# Altium PCB touch-2ch-v4.PcbDoc (part 7 of 8)
Units mm, origin at the board's own origin, x right, y up, seen from the top; angles counter-clockwise.
Board outline 39.88 x 84.36 mm, 2 copper layers (Top Layer, Bottom Layer); 1029 components, 40 nets, 2604 pads, 0 vias.
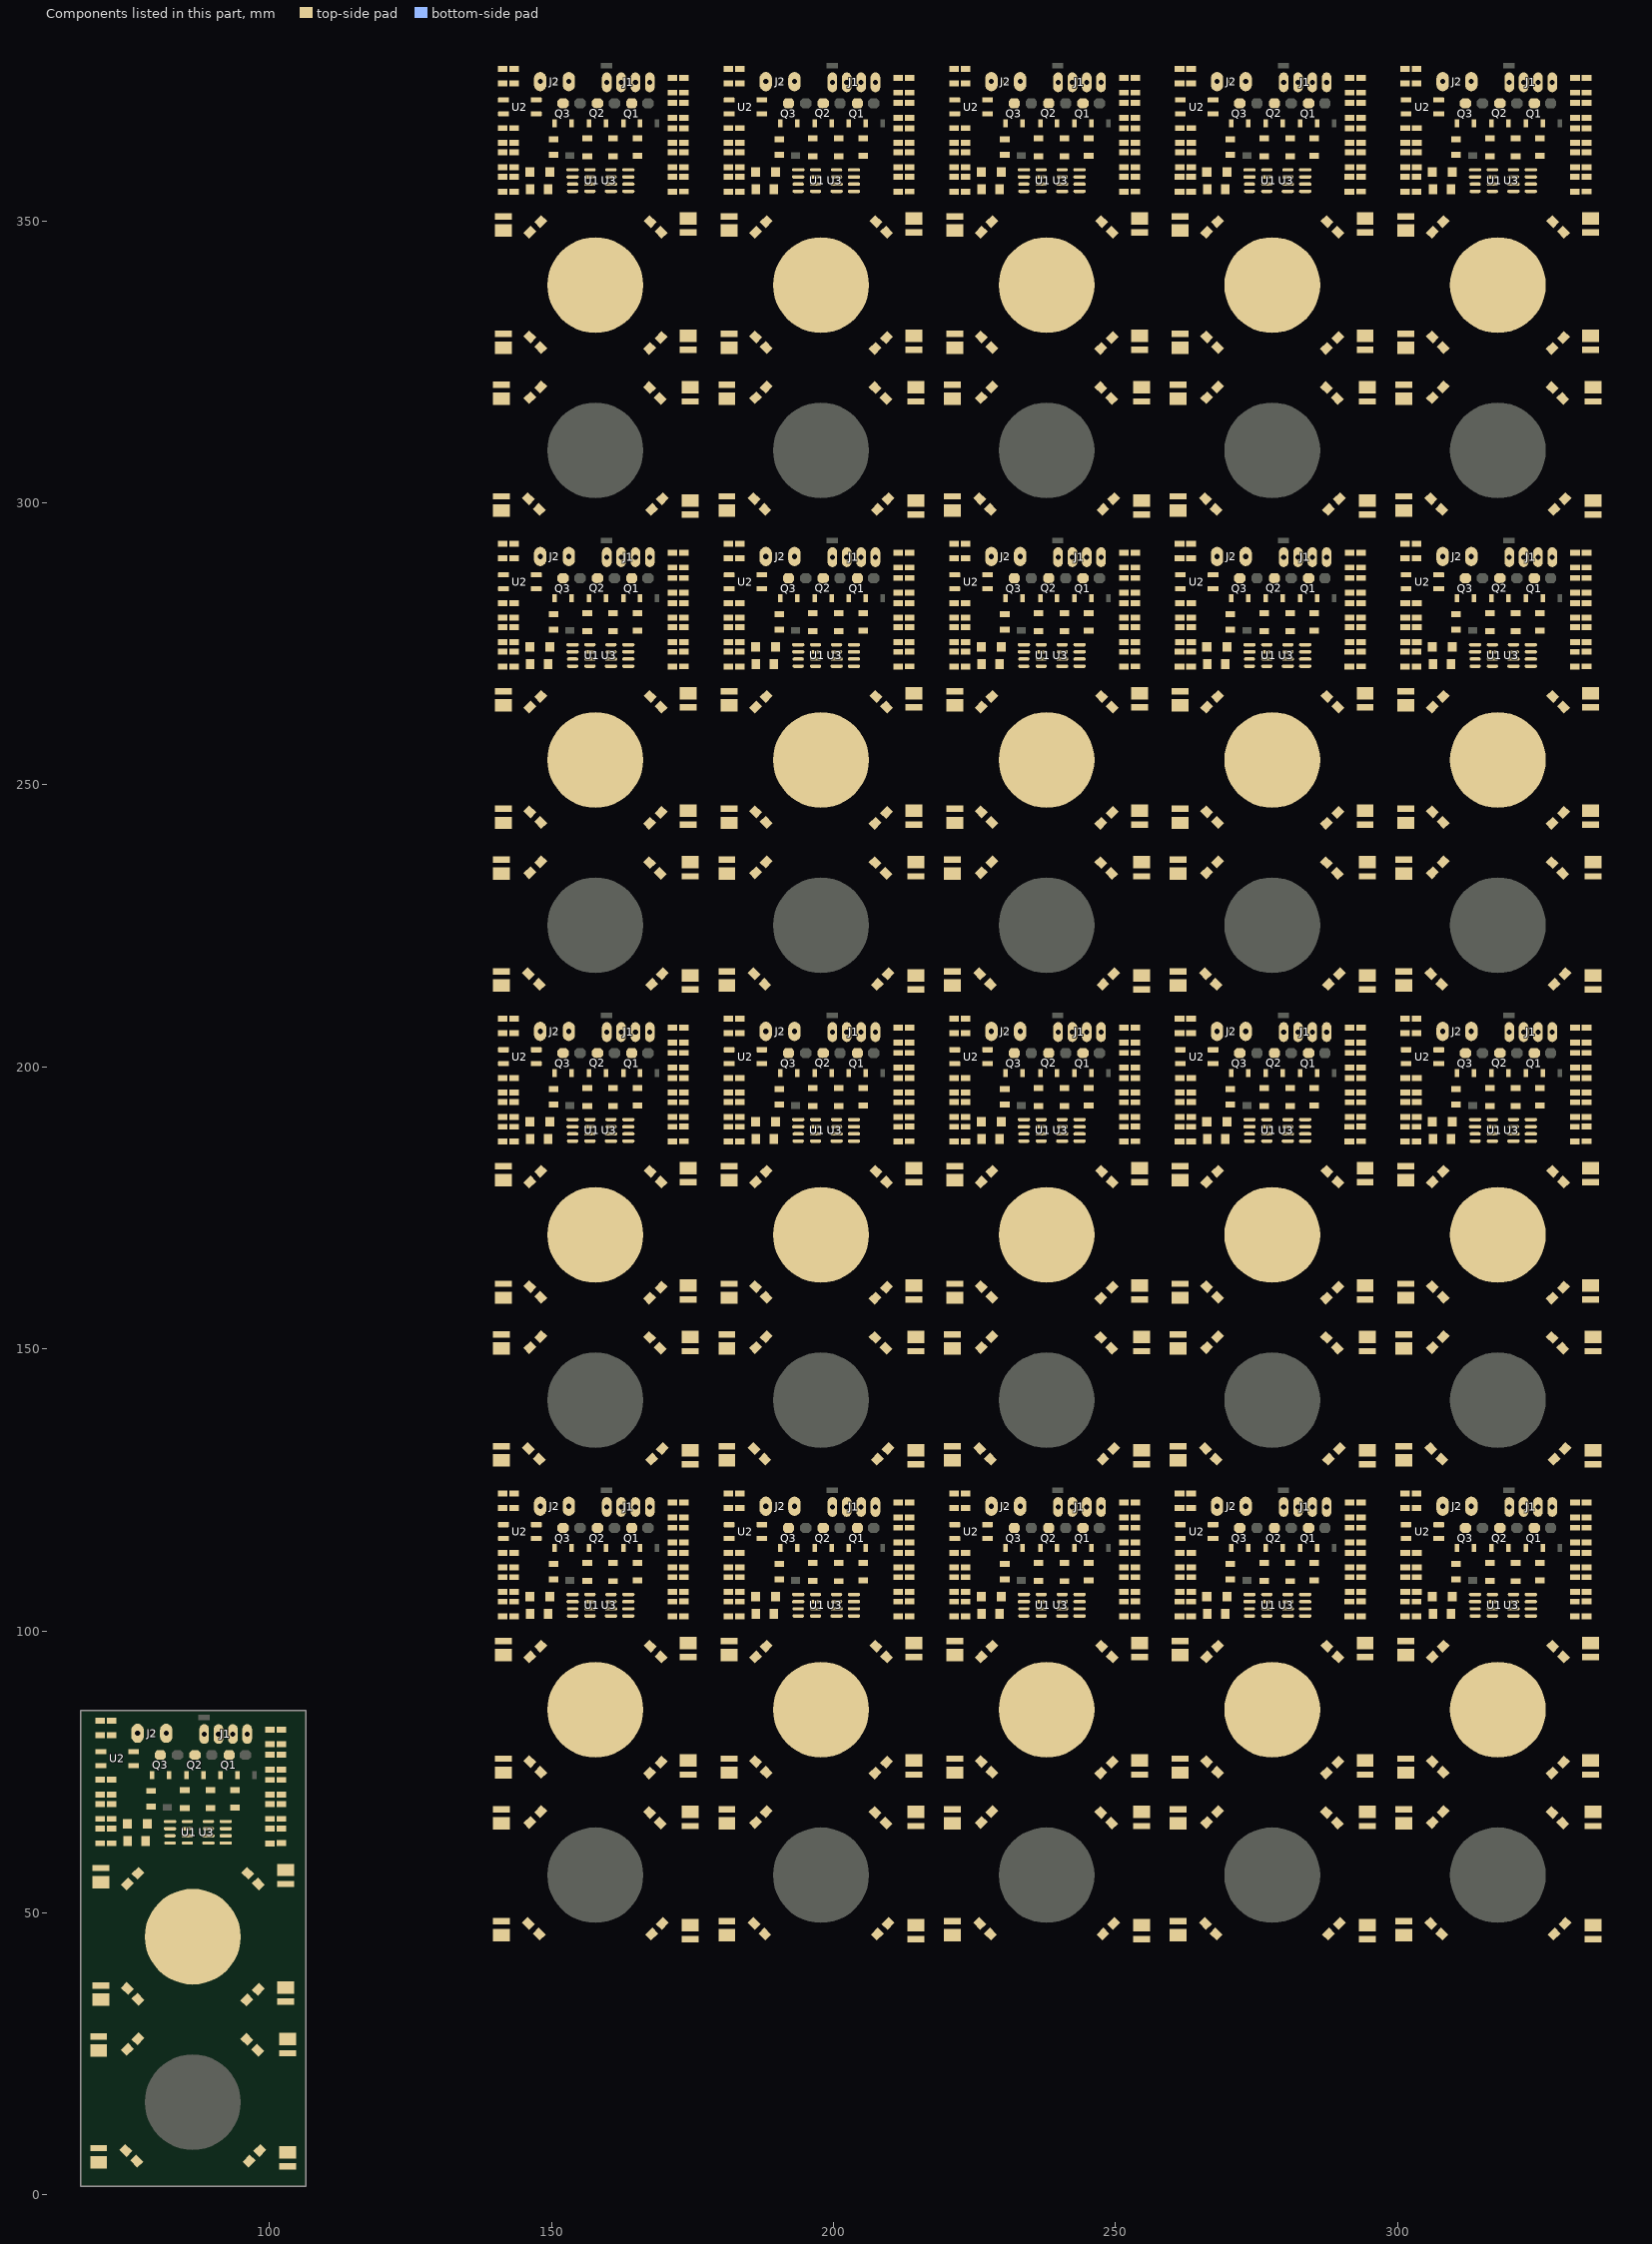
[diagram p7: the components of this part, seen from the top]

## Nets (pads, with @x,y where several pads share a name; then routed paths per layer and width w, separated by ;. In a path a pad name is that pad's centre, name@x,y a point inside that pad or via, vN(x,y) a via of type N, cw(c..) or ccw(c..) an arc to the next point about the centre after c; other vN are vias at no path point) (continued)
copper on no net: (continued)
  Top Layer w0.8: 289.926,207.771 290.642,207.055 291.348,207.055 291.473,206.93 ; 289.926,291.971 290.642,291.255 291.348,291.255 291.473,291.13 ; 289.926,376.171 290.642,375.455 291.348,375.455 291.473,375.33 ; 291.08,101.484 291.08,102.46 291.205,102.585 291.727,102.585 ; 291.08,185.684 291.08,186.66 291.205,186.785 291.727,186.785 ; 291.08,269.884 291.08,270.86 291.205,270.985 291.727,270.985 ; 291.08,354.084 291.08,355.06 291.205,355.185 291.727,355.185 ; 291.148,122.73 293.505,122.73 ; 291.148,206.93 293.505,206.93 ; 291.148,291.13 293.505,291.13 ; 291.148,375.33 293.505,375.33 ; 291.323,102.585 291.45,102.585 291.727,102.585 ; 291.323,186.785 291.45,186.785 291.727,186.785 ; 291.323,270.985 291.45,270.985 291.727,270.985 ; 291.323,355.185 291.45,355.185 291.727,355.185 ; 291.346,105.204 292.425,105.204 ; 291.346,189.404 292.425,189.404 ; 291.346,273.604 292.425,273.604 ; 291.346,357.804 292.425,357.804 ; 291.473,106.926 292.489,106.926 ; 291.473,109.522 292.489,109.522 ; 291.473,111.244 292.489,111.244 ; 291.473,113.84 292.489,113.84 ; 291.473,115.689 292.489,115.689 ; 291.473,118.285 292.489,118.285 ; 291.473,120.134 292.362,120.134 ; 291.473,191.126 292.489,191.126 ; 291.473,193.722 292.489,193.722 ; 291.473,195.444 292.489,195.444 ; 291.473,198.04 292.489,198.04 ; 291.473,199.889 292.489,199.889 ; 291.473,202.485 292.489,202.485 ; 291.473,204.334 292.362,204.334 ; 291.473,275.326 292.489,275.326 ; 291.473,277.922 292.489,277.922 ; 291.473,279.644 292.489,279.644 ; 291.473,282.24 292.489,282.24 ; 291.473,284.089 292.489,284.089 ; 291.473,286.685 292.489,286.685 ; 291.473,288.534 292.362,288.534 ; 291.473,359.526 292.489,359.526 ; 291.473,362.122 292.489,362.122 ; 291.473,363.844 292.489,363.844 ; 291.473,366.44 292.489,366.44 ; 291.473,368.289 292.489,368.289 ; 291.473,370.885 292.489,370.885 ; 291.473,372.734 292.362,372.734 ; 293.505,102.608 291.727,102.608 291.727,102.585 ; 293.505,105.204 292.489,105.204 ; 293.505,106.926 292.489,106.926 ; 293.505,109.522 292.489,109.522 ; 293.505,111.244 292.489,111.244 ; 293.505,113.84 292.489,113.84 ; 293.505,115.689 292.489,115.689 ; 293.505,118.285 292.489,118.285 ; 293.505,120.134 292.362,120.134 ; 293.505,186.808 291.727,186.808 291.727,186.785 ; 293.505,189.404 292.489,189.404 ; 293.505,191.126 292.489,191.126 ; 293.505,193.722 292.489,193.722 ; 293.505,195.444 292.489,195.444 ; 293.505,198.04 292.489,198.04 ; 293.505,199.889 292.489,199.889 ; 293.505,202.485 292.489,202.485 ; 293.505,204.334 292.362,204.334 ; 293.505,271.008 291.727,271.008 291.727,270.985 ; 293.505,273.604 292.489,273.604 ; 293.505,275.326 292.489,275.326 ; 293.505,277.922 292.489,277.922 ; 293.505,279.644 292.489,279.644 ; 293.505,282.24 292.489,282.24 ; 293.505,284.089 292.489,284.089 ; 293.505,286.685 292.489,286.685 ; 293.505,288.534 292.362,288.534 ; 293.505,355.208 291.727,355.208 291.727,355.185 ; 293.505,357.804 292.489,357.804 ; 293.505,359.526 292.489,359.526 ; 293.505,362.122 292.489,362.122 ; 293.505,363.844 292.489,363.844 ; 293.505,366.44 292.489,366.44 ; 293.505,368.289 292.489,368.289 ; 293.505,370.885 292.489,370.885 ; 293.505,372.734 292.362,372.734 ; 301.326,118.882 303.774,118.882 305.288,120.396 305.288,124.333 ; 301.326,203.082 303.774,203.082 305.288,204.596 305.288,208.533 ; 301.326,287.282 303.774,287.282 305.288,288.796 305.288,292.733 ; 301.326,371.482 303.774,371.482 305.288,372.996 305.288,376.933 ; 301.351,102.743 303.127,102.743 303.245,102.625 303.674,102.625 ; 301.351,105.187 301.781,105.187 302.494,105.187 ; 301.351,124.364 303.287,124.364 303.317,124.333 305.288,124.333 ; 301.351,186.943 303.127,186.943 303.245,186.825 303.674,186.825 ; 301.351,189.387 301.781,189.387 302.494,189.387 ; 301.351,208.564 303.287,208.564 303.317,208.533 305.288,208.533 ; 301.351,271.143 303.127,271.143 303.245,271.025 303.674,271.025 ; 301.351,273.587 301.781,273.587 302.494,273.587 ; 301.351,292.764 303.287,292.764 303.317,292.733 305.288,292.733 ; 301.351,355.343 303.127,355.343 303.245,355.225 303.674,355.225 ; 301.351,357.787 301.781,357.787 302.494,357.787 ; 301.351,376.964 303.287,376.964 303.317,376.933 305.288,376.933 ; 301.373,106.931 302.494,106.931 ; 301.373,111.249 302.357,111.249 ; 301.373,113.845 303.405,113.845 ; 301.373,191.131 302.494,191.131 ; 301.373,195.449 302.357,195.449 ; 301.373,198.045 303.405,198.045 ; 301.373,275.331 302.494,275.331 ; 301.373,279.649 302.357,279.649 ; 301.373,282.245 303.405,282.245 ; 301.373,359.531 302.494,359.531 ; 301.373,363.849 302.357,363.849 ; 301.373,366.445 303.405,366.445 ; 301.49,116.332 303.891,116.332 307.701,112.522 307.701,110.49 ; 301.49,200.532 303.891,200.532 307.701,196.722 307.701,194.69 ; 301.49,284.732 303.891,284.732 307.701,280.922 307.701,278.89 ; 301.49,368.932 303.891,368.932 307.701,365.122 307.701,363.09 ; 303.383,102.591 303.499,102.591 303.624,102.466 303.624,101.359 307.701,97.282 308.082,97.282 ; 303.383,105.187 303.363,105.206 302.748,105.206 302.494,105.46 302.494,106.931 ; 303.383,186.791 303.499,186.791 303.624,186.666 303.624,185.559 307.701,181.482 308.082,181.482 ; 303.383,189.387 303.363,189.406 302.748,189.406 302.494,189.66 302.494,191.131 ; 303.383,270.991 303.499,270.991 303.624,270.866 303.624,269.759 307.701,265.682 308.082,265.682 ; 303.383,273.587 303.363,273.606 302.748,273.606 302.494,273.86 302.494,275.331 ; 303.383,355.191 303.499,355.191 303.624,355.066 303.624,353.959 307.701,349.882 308.082,349.882 ; 303.383,357.787 303.363,357.806 302.748,357.806 302.494,358.06 302.494,359.531 ; 303.405,106.931 302.494,106.931 ; 303.405,109.527 303.402,109.524 302.357,109.524 302.357,111.249 ; 303.405,111.249 302.357,111.249 ; 303.405,191.131 302.494,191.131 ; 303.405,193.727 303.402,193.724 302.357,193.724 302.357,195.449 ; 303.405,195.449 302.357,195.449 ; 303.405,275.331 302.494,275.331 ; 303.405,277.927 303.402,277.924 302.357,277.924 302.357,279.649 ; 303.405,279.649 302.357,279.649 ; 303.405,359.531 302.494,359.531 ; 303.405,362.127 303.402,362.124 302.357,362.124 302.357,363.849 ; 303.405,363.849 302.357,363.849 ; 305.542,48.006 305.69,48.154 305.69,48.48 305.288,48.882 305.288,64.897 305.923,65.532 ; 305.542,132.206 305.69,132.354 305.69,132.68 305.288,133.082 305.288,149.097 305.923,149.732 ; 305.542,216.406 305.69,216.554 305.69,216.88 305.288,217.282 305.288,233.297 305.923,233.932 ; 305.542,300.606 305.69,300.754 305.69,301.08 305.288,301.482 305.288,317.497 305.923,318.132 ; 306.177,76.835 306.177,77.054 303.891,79.34 303.891,92.837 306.177,95.123 306.177,95.377 ; 306.177,161.035 306.177,161.254 303.891,163.54 303.891,177.037 306.177,179.323 306.177,179.577 ; 306.177,245.235 306.177,245.454 303.891,247.74 303.891,261.237 306.177,263.523 306.177,263.777 ; 306.177,329.435 306.177,329.654 303.891,331.94 303.891,345.437 306.177,347.723 306.177,347.977 ; 308.082,67.945 308.188,68.051 ; 308.082,74.93 308.188,74.824 308.188,68.051 ; 308.082,152.145 308.188,152.251 ; 308.082,159.13 308.188,159.024 308.188,152.251 ; 308.082,236.345 308.188,236.451 ; 308.082,243.33 308.188,243.224 308.188,236.451 ; 308.082,320.545 308.188,320.651 ; 308.082,327.53 308.188,327.424 308.188,320.651 ; 308.188,67.945 308.188,68.051 ; 308.188,152.145 308.188,152.251 ; 308.188,236.345 308.188,236.451 ; 308.188,320.545 308.188,320.651 ; 309.733,106.045 309.733,106.095 309.333,106.495 309.029,106.495 307.701,107.823 307.701,110.49 ; 309.733,190.245 309.733,190.295 309.333,190.695 309.029,190.695 307.701,192.023 307.701,194.69 ; 309.733,274.445 309.733,274.495 309.333,274.895 309.029,274.895 307.701,276.223 307.701,278.89 ; 309.733,358.645 309.733,358.695 309.333,359.095 309.029,359.095 307.701,360.423 307.701,363.09 ; 310.495,46.736 324.973,46.736 ; 310.495,130.936 324.973,130.936 ; 310.495,215.136 324.973,215.136 ; 310.495,299.336 324.973,299.336 ; 310.541,114.682 310.541,114.382 310.841,114.382 313.035,112.188 313.035,110.49 ; 310.541,198.881 310.541,198.582 310.841,198.582 313.035,196.388 313.035,194.69 ; 310.541,283.081 310.541,282.781 310.841,282.781 313.035,280.588 313.035,278.89 ; 310.541,367.281 310.541,366.981 310.841,366.981 313.035,364.788 313.035,363.09 ; 313.289,108.966 313.261,108.966 313.061,109.166 313.061,110.235 312.806,110.49 ; 313.289,193.166 313.261,193.166 313.061,193.366 313.061,194.435 312.806,194.69 ; 313.289,277.366 313.261,277.366 313.061,277.566 313.061,278.635 312.806,278.89 ; 313.289,361.566 313.261,361.566 313.061,361.766 313.061,362.835 312.806,363.09 ; 314.123,97.227 316.464,99.568 316.464,102.254 ; 314.123,181.427 316.464,183.768 316.464,186.454 ; 314.123,265.627 316.464,267.968 316.464,270.654 ; 314.123,349.827 316.464,352.168 316.464,354.854 ; 316.661,114.403 318.75,112.315 318.75,110.49 ; 316.661,198.603 318.75,196.515 318.75,194.69 ; 316.661,282.803 318.75,280.715 318.75,278.89 ; 316.661,367.003 318.75,364.915 318.75,363.09 ; 317.779,56.686 317.988,56.895 ; 317.779,140.886 317.988,141.095 ; 317.779,225.086 317.988,225.295 ; 317.779,309.286 317.988,309.495 ; 317.988,56.133 317.988,75.091 318.632,75.735 ccw(c317.523,86.075) 322.756,95.063 322.179,95.64 322.179,98.425 326.265,102.512 326.265,103.886 ; 317.988,140.333 317.988,159.291 318.632,159.935 ccw(c317.523,170.275) 322.756,179.263 322.179,179.84 322.179,182.625 326.265,186.712 326.265,188.086 ; 317.988,224.533 317.988,243.491 318.632,244.135 ccw(c317.523,254.475) 322.756,263.463 322.179,264.04 322.179,266.825 326.265,270.912 326.265,272.286 ; 317.988,308.733 317.988,327.691 318.632,328.335 ccw(c317.523,338.675) 322.756,347.663 322.179,348.24 322.179,351.025 326.265,355.111 326.265,356.486 ; 318.033,87.04 318.033,96.565 319.766,98.298 319.766,102.362 ; 318.033,171.24 318.033,180.765 319.766,182.498 319.766,186.562 ; 318.033,255.44 318.033,264.965 319.766,266.698 319.766,270.762 ; 318.033,339.64 318.033,349.165 319.766,350.898 319.766,354.962 ; 319.664,125.095 305.757,125.095 305.288,124.626 305.288,124.333 ; 319.664,209.295 305.757,209.295 305.288,208.826 305.288,208.533 ; 319.664,293.495 305.757,293.495 305.288,293.026 305.288,292.733 ; 319.664,377.695 305.757,377.695 305.288,377.226 305.288,376.933 ; 319.766,125.095 326.923,125.095 327.431,124.587 ; 319.766,209.295 326.923,209.295 327.431,208.787 ; 319.766,293.495 326.923,293.495 327.431,292.987 ; 319.766,377.695 326.923,377.695 327.431,377.187 ; 322.733,114.682 322.733,114.382 323.195,113.92 323.195,110.49 ; 322.733,198.881 322.733,198.582 323.195,198.12 323.195,194.69 ; 322.733,283.081 322.733,282.781 323.195,282.32 323.195,278.89 ; 322.733,367.281 322.733,366.981 323.195,366.52 323.195,363.09 ; 324.338,97.155 324.338,98.044 328.805,102.512 328.805,110.49 ; 324.338,181.355 324.338,182.244 328.805,186.712 328.805,194.69 ; 324.338,265.555 324.338,266.444 328.805,270.912 328.805,278.89 ; 324.338,349.755 324.338,350.644 328.805,355.111 328.805,363.09 ; 327.28,67.818 327.28,67.924 ; 327.28,152.018 327.28,152.124 ; 327.28,236.218 327.28,236.324 ; 327.28,320.418 327.28,320.524 ; 327.386,67.818 327.28,67.924 ; 327.386,74.803 327.28,74.697 327.28,67.924 ; 327.386,152.018 327.28,152.124 ; 327.386,159.003 327.28,158.897 327.28,152.124 ; 327.386,236.218 327.28,236.324 ; 327.386,243.203 327.28,243.097 327.28,236.324 ; 327.386,320.418 327.28,320.524 ; 327.386,327.403 327.28,327.297 327.28,320.524 ; 327.513,123.037 327.816,123.037 328.35,123.571 330.307,123.571 ; 327.513,207.237 327.816,207.237 328.35,207.771 330.307,207.771 ; 327.513,291.437 327.816,291.437 328.35,291.971 330.307,291.971 ; 327.513,375.637 327.816,375.637 328.35,376.171 330.307,376.171 ; 327.64,97.291 327.633,97.297 327.633,97.656 331.461,101.484 ; 327.64,181.491 327.633,181.497 327.633,181.856 331.461,185.684 ; 327.64,265.691 327.633,265.697 327.633,266.056 331.461,269.884 ; 327.64,349.891 327.633,349.897 327.633,350.256 331.461,354.084 ; 328.733,114.682 328.733,114.147 328.805,114.075 328.805,110.49 ; 328.733,198.881 328.733,198.347 328.805,198.275 328.805,194.69 ; 328.733,283.081 328.733,282.547 328.805,282.475 328.805,278.89 ; 328.733,367.281 328.733,366.747 328.805,366.675 328.805,363.09 ; 329.291,65.913 329.291,65.892 330.434,64.749 330.434,49.114 329.545,48.225 329.545,47.879 ; 329.291,150.113 329.291,150.092 330.434,148.949 330.434,133.314 329.545,132.425 329.545,132.079 ; 329.291,234.313 329.291,234.292 330.434,233.149 330.434,217.514 329.545,216.625 329.545,216.279 ; 329.291,318.513 329.291,318.492 330.434,317.349 330.434,301.714 329.545,300.825 329.545,300.479 ; 329.418,76.708 329.418,77.089 332.085,79.756 332.085,92.71 329.418,95.377 ; 329.418,160.908 329.418,161.289 332.085,163.956 332.085,176.91 329.418,179.577 ; 329.418,245.108 329.418,245.489 332.085,248.156 332.085,261.11 329.418,263.777 ; 329.418,329.308 329.418,329.689 332.085,332.356 332.085,345.31 329.418,347.977 ; 329.926,123.571 330.642,122.855 331.347,122.855 331.472,122.73 ; 329.926,207.771 330.642,207.055 331.347,207.055 331.472,206.93 ; 329.926,291.971 330.642,291.255 331.347,291.255 331.472,291.13 ; 329.926,376.171 330.642,375.455 331.347,375.455 331.472,375.33 ; 331.08,101.484 331.08,102.46 331.205,102.585 331.726,102.585 ; 331.08,185.684 331.08,186.66 331.205,186.785 331.726,186.785 ; 331.08,269.884 331.08,270.86 331.205,270.985 331.726,270.985 ; 331.08,354.084 331.08,355.06 331.205,355.185 331.726,355.185 ; 331.147,122.73 333.504,122.73 ; 331.147,206.93 333.504,206.93 ; 331.147,291.13 333.504,291.13 ; 331.147,375.33 333.504,375.33 ; 331.323,102.585 331.45,102.585 331.726,102.585 ; 331.323,186.785 331.45,186.785 331.726,186.785 ; 331.323,270.985 331.45,270.985 331.726,270.985 ; 331.323,355.185 331.45,355.185 331.726,355.185 ; 331.345,105.204 332.425,105.204 ; 331.345,189.404 332.425,189.404 ; 331.345,273.604 332.425,273.604 ; 331.345,357.804 332.425,357.804 ; 331.472,106.926 332.488,106.926 ; 331.472,109.522 332.488,109.522 ; 331.472,111.244 332.488,111.244 ; 331.472,113.84 332.488,113.84 ; 331.472,115.689 332.488,115.689 ; 331.472,118.285 332.488,118.285 ; 331.472,120.134 332.361,120.134 ; 331.472,191.126 332.488,191.126 ; 331.472,193.722 332.488,193.722 ; 331.472,195.444 332.488,195.444 ; 331.472,198.04 332.488,198.04 ; 331.472,199.889 332.488,199.889 ; 331.472,202.485 332.488,202.485 ; 331.472,204.334 332.361,204.334 ; 331.472,275.326 332.488,275.326 ; 331.472,277.922 332.488,277.922 ; 331.472,279.644 332.488,279.644 ; 331.472,282.24 332.488,282.24 ; 331.472,284.089 332.488,284.089 ; 331.472,286.685 332.488,286.685 ; 331.472,288.534 332.361,288.534 ; 331.472,359.526 332.488,359.526 ; 331.472,362.122 332.488,362.122 ; 331.472,363.844 332.488,363.844 ; 331.472,366.44 332.488,366.44 ; 331.472,368.289 332.488,368.289 ; 331.472,370.885 332.488,370.885 ; 331.472,372.734 332.361,372.734 ; 333.504,102.608 331.726,102.608 331.726,102.585 ; 333.504,105.204 332.488,105.204 ; 333.504,106.926 332.488,106.926 ; 333.504,109.522 332.488,109.522 ; 333.504,111.244 332.488,111.244 ; 333.504,113.84 332.488,113.84 ; 333.504,115.689 332.488,115.689 ; 333.504,118.285 332.488,118.285 ; 333.504,120.134 332.361,120.134 ; 333.504,186.808 331.726,186.808 331.726,186.785 ; 333.504,189.404 332.488,189.404 ; 333.504,191.126 332.488,191.126 ; 333.504,193.722 332.488,193.722 ; 333.504,195.444 332.488,195.444 ; 333.504,198.04 332.488,198.04 ; 333.504,199.889 332.488,199.889 ; 333.504,202.485 332.488,202.485 ; 333.504,204.334 332.361,204.334 ; 333.504,271.008 331.726,271.008 331.726,270.985 ; 333.504,273.604 332.488,273.604 ; 333.504,275.326 332.488,275.326 ; 333.504,277.922 332.488,277.922 ; 333.504,279.644 332.488,279.644 ; 333.504,282.24 332.488,282.24 ; 333.504,284.089 332.488,284.089 ; 333.504,286.685 332.488,286.685 ; 333.504,288.534 332.361,288.534 ; 333.504,355.208 331.726,355.208 331.726,355.185 ; 333.504,357.804 332.488,357.804 ; 333.504,359.526 332.488,359.526 ; 333.504,362.122 332.488,362.122 ; 333.504,363.844 332.488,363.844 ; 333.504,366.44 332.488,366.44 ; 333.504,368.289 332.488,368.289 ; 333.504,370.885 332.488,370.885 ; 333.504,372.734 332.361,372.734 ; 147.701,110.49 152.807,110.49 ; 147.701,194.69 152.807,194.69 ; 147.701,278.89 152.807,278.89 ; 147.701,363.09 152.807,363.09 ; 152.807,110.49 158.75,110.49 ; 152.807,194.69 158.75,194.69 ; 152.807,278.89 158.75,278.89 ; 152.807,363.09 158.75,363.09 ; 158.75,110.49 163.195,110.49 ; 158.75,194.69 163.195,194.69 ; 158.75,278.89 163.195,278.89 ; 158.75,363.09 163.195,363.09 ; 163.195,110.49 168.806,110.49 ; 163.195,194.69 168.806,194.69 ; 163.195,278.89 168.806,278.89 ; 163.195,363.09 168.806,363.09 ; 172.362,120.134 172.362,118.412 172.489,118.285 ; 172.362,204.334 172.362,202.612 172.489,202.485 ; 172.362,288.534 172.362,286.812 172.489,286.685 ; 172.362,372.734 172.362,371.012 172.489,370.885 ; 172.425,105.204 172.489,105.204 ; 172.425,105.204 172.489,105.267 ; 172.425,189.404 172.489,189.404 ; 172.425,189.404 172.489,189.467 ; 172.425,273.604 172.489,273.604 ; 172.425,273.604 172.489,273.667 ; 172.425,357.804 172.489,357.804 ; 172.425,357.804 172.489,357.867 ; 172.489,105.204 172.489,105.267 ; 172.489,105.267 172.489,106.926 ; 172.489,109.522 172.489,111.244 ; 172.489,113.84 172.489,115.689 ; 172.489,189.404 172.489,189.467 ; 172.489,189.467 172.489,191.126 ; 172.489,193.722 172.489,195.444 ; 172.489,198.04 172.489,199.889 ; 172.489,273.604 172.489,273.667 ; 172.489,273.667 172.489,275.326 ; 172.489,277.922 172.489,279.644 ; 172.489,282.24 172.489,284.089 ; 172.489,357.804 172.489,357.867 ; 172.489,357.867 172.489,359.526 ; 172.489,362.122 172.489,363.844 ; 172.489,366.44 172.489,368.289 ; 187.701,110.49 192.807,110.49 ; 187.701,194.69 192.807,194.69 ; 187.701,278.89 192.807,278.89 ; 187.701,363.09 192.807,363.09 ; 192.807,110.49 198.75,110.49 ; 192.807,194.69 198.75,194.69 ; 192.807,278.89 198.75,278.89 ; 192.807,363.09 198.75,363.09 ; 198.75,110.49 203.195,110.49 ; 198.75,194.69 203.195,194.69 ; 198.75,278.89 203.195,278.89 ; 198.75,363.09 203.195,363.09 ; 203.195,110.49 208.806,110.49 ; 203.195,194.69 208.806,194.69 ; 203.195,278.89 208.806,278.89 ; 203.195,363.09 208.806,363.09 ; 212.362,120.134 212.362,118.412 212.489,118.285 ; 212.362,204.334 212.362,202.612 212.489,202.485 ; 212.362,288.534 212.362,286.812 212.489,286.685 ; 212.362,372.734 212.362,371.012 212.489,370.885 ; 212.425,105.204 212.489,105.204 ; 212.425,105.204 212.489,105.267 ; 212.425,189.404 212.489,189.404 ; 212.425,189.404 212.489,189.467 ; 212.425,273.604 212.489,273.604 ; 212.425,273.604 212.489,273.667 ; 212.425,357.804 212.489,357.804 ; 212.425,357.804 212.489,357.867 ; 212.489,105.204 212.489,105.267 ; 212.489,105.267 212.489,106.926 ; 212.489,109.522 212.489,111.244 ; 212.489,113.84 212.489,115.689 ; 212.489,189.404 212.489,189.467 ; 212.489,189.467 212.489,191.126 ; 212.489,193.722 212.489,195.444 ; 212.489,198.04 212.489,199.889 ; 212.489,273.604 212.489,273.667 ; 212.489,273.667 212.489,275.326 ; 212.489,277.922 212.489,279.644 ; 212.489,282.24 212.489,284.089 ; 212.489,357.804 212.489,357.867 ; 212.489,357.867 212.489,359.526 ; 212.489,362.122 212.489,363.844 ; 212.489,366.44 212.489,368.289 ; 227.701,110.49 232.807,110.49 ; 227.701,194.69 232.807,194.69 ; 227.701,278.89 232.807,278.89 ; 227.701,363.09 232.807,363.09 ; 232.807,110.49 238.75,110.49 ; 232.807,194.69 238.75,194.69 ; 232.807,278.89 238.75,278.89 ; 232.807,363.09 238.75,363.09 ; 238.75,110.49 243.195,110.49 ; 238.75,194.69 243.195,194.69 ; 238.75,278.89 243.195,278.89 ; 238.75,363.09 243.195,363.09 ; 243.195,110.49 248.805,110.49 ; 243.195,194.69 248.805,194.69 ; 243.195,278.89 248.805,278.89 ; 243.195,363.09 248.805,363.09 ; 252.361,120.134 252.361,118.412 252.488,118.285 ; 252.361,204.334 252.361,202.612 252.488,202.485 ; 252.361,288.534 252.361,286.812 252.488,286.685 ; 252.361,372.734 252.361,371.012 252.488,370.885 ; 252.425,105.204 252.488,105.204 ; 252.425,105.204 252.488,105.267 ; 252.425,189.404 252.488,189.404 ; 252.425,189.404 252.488,189.467 ; 252.425,273.604 252.488,273.604 ; 252.425,273.604 252.488,273.667 ; 252.425,357.804 252.488,357.804 ; 252.425,357.804 252.488,357.867 ; 252.488,105.204 252.488,105.267 ; 252.488,105.267 252.488,106.926 ; 252.488,109.522 